# Altium PCB sla2216.PcbDoc (part 2 of 3) (continued)
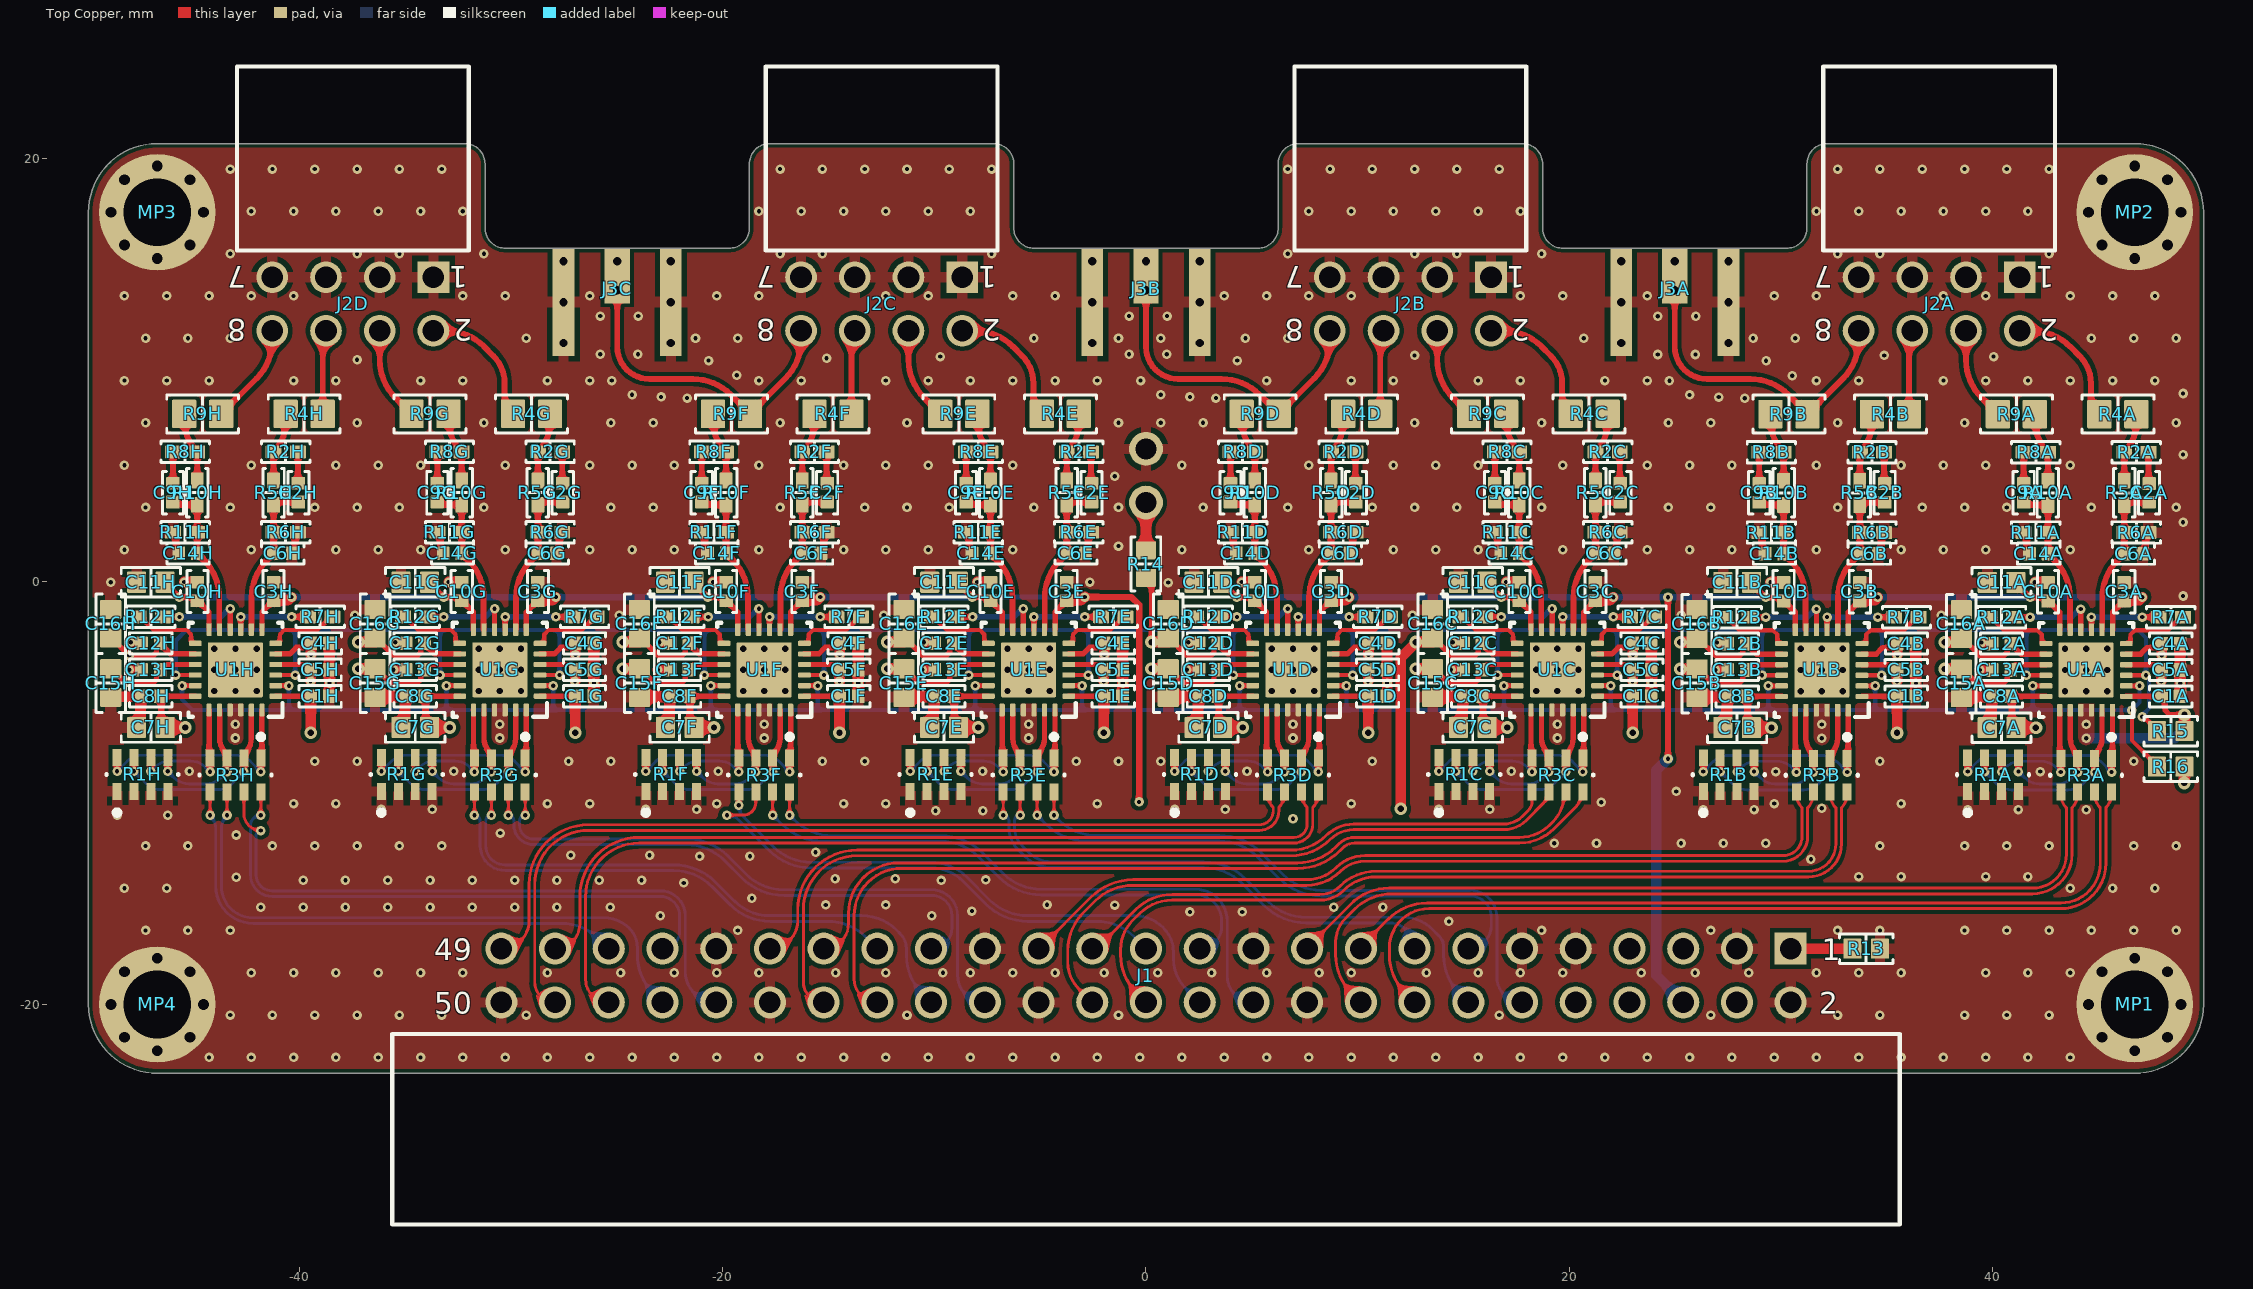
[diagram p0: Top Copper view]
## Nets (pads, with @x,y where several pads share a name; then routed paths per layer and width w, separated by ;. In a path a pad name is that pad's centre, name@x,y a point inside that pad or via, vN(x,y) a via of type N, cw(c..) or ccw(c..) an arc to the next point about the centre after c; other vN are vias at no path point) (continued)
D9_N: J1.15 R3E.5 | length 23.6
  Top Copper w0.139: v1(-6.75,-11.05) R3E.5@-6.75,-9.95
  Bottom Copper w0.139: v1(-6.75,-11.05) cw(c-6.75,-11.317) -6.483,-11.317 -6.483,-11.625 ccw(c-4.991,-11.625) -6.046,-12.68 -5.738,-12.988 ccw(c-4.439,-11.689) -4.439,-13.526 2.738,-13.526 cw(c2.738,-16.066) 4.534,-14.27 5.583,-15.319 ccw(c7.567,-13.335) 7.567,-16.141 11.481,-16.141 cw(c11.481,-17.36) J1.15@12.7,-17.36
D9_P: J1.14 R3E.6 | length 27.5
  Top Copper w0.139: v1(-5.95,-11.05) R3E.6@-5.95,-9.95
  Bottom Copper w0.139: v1(-5.95,-11.05) ccw(c-5.95,-11.317) -6.217,-11.317 -6.217,-11.625 ccw(c-4.991,-11.625) -5.858,-12.492 -5.55,-12.8 ccw(c-4.439,-11.689) -4.439,-13.26 2.738,-13.26 cw(c2.738,-16.066) 4.722,-14.082 5.771,-15.131 ccw(c7.567,-13.335) 7.567,-15.875 12.162,-15.875 cw(c12.162,-17.838) 13.55,-16.45 13.845,-16.745 cw(c13.29,-17.3) 14.075,-17.3 14.075,-17.683 ccw(c16.615,-17.683) 14.819,-19.479 J1.14@15.24,-19.9
D10_N: J1.22 R3F.8 | length 28.3
  Top Copper w0.139: v1(-16.85,-11.05) R3F.8@-16.85,-9.95
  Bottom Copper w0.139: v1(-16.85,-11.05) -16.619,-11.281 ccw(c-14.823,-9.485) -14.823,-12.025 -9.695,-12.025 cw(c-9.695,-14.831) -7.711,-12.847 -6.752,-13.806 ccw(c-4.956,-12.01) -4.956,-14.55 2.341,-14.55 cw(c2.341,-16.05) 3.841,-16.05 3.841,-18.661 ccw(c5.08,-18.661) J1.22@5.08,-19.9
D10_P: J1.23 R3F.7 | length 26.1
  Top Copper w0.139: v1(-17.65,-11.05) R3F.7@-17.65,-9.95
  Bottom Copper w0.139: v1(-17.65,-11.05) -17.231,-11.469 ccw(c-15.247,-9.485) -15.247,-12.291 -9.695,-12.291 cw(c-9.695,-14.831) -7.899,-13.035 -6.94,-13.994 ccw(c-4.956,-12.01) -4.956,-14.816 2.341,-14.816 cw(c2.341,-16.05) 3.575,-16.05 3.575,-16.325 cw(c2.54,-16.325) J1.23@2.54,-17.36
D11_N: J1.24 R3F.5 | length 27.6
  Top Copper w0.139: v1@-19.252,-10.575 R3F.5@-19.252,-9.95 ; v1(-19.25,-10.575) R3F.5@-19.25,-9.95
  Bottom Copper w0.139: v1(-19.25,-10.575) ccw(c-18.451,-10.575) -19.016,-11.14 -17.625,-12.531 ccw(c-15.829,-10.735) -15.829,-13.275 -10.181,-13.275 cw(c-10.181,-15.706) -8.462,-13.987 -7.393,-15.056 ccw(c-5.597,-13.26) -5.597,-15.8 -0.563,-15.8 cw(c-0.563,-17.763) 0.825,-16.375 cw(c-0.322,-17.522) 1.3,-17.522 1.3,-17.85 ccw(c3.256,-17.85) 1.873,-19.233 J1.24@2.54,-19.9
D11_P: J1.25 R3F.6 | length 25.6
  Top Copper w0.139: v1(-19.812,-11.05) v1(-19.812,-11.05) -19.05,-11.05 ; R3F.6@-18.452,-9.95 R3F.6@-18.45,-9.95 ; -19.05,-11.05 ccw(c-19.05,-10.45) -19.048,-11.05 ; -19.05,-11.05 -19.048,-11.05 ; -19.048,-11.05 ccw(c-19.048,-10.45) -18.448,-10.45 -18.448,-9.95 R3F.6@-18.45,-9.95 ; -19.048,-11.05 ccw(c-19.05,-10.45) -18.45,-10.45 R3F.6@-18.45,-9.95
  Bottom Copper w0.139: v1(-19.812,-11.05) cw(c-19.812,-11.849) -19.248,-11.284 -17.813,-12.719 ccw(c-15.829,-10.735) -15.829,-13.541 -10.181,-13.541 cw(c-10.181,-15.706) -8.65,-14.175 -7.581,-15.244 ccw(c-5.597,-13.26) -5.597,-16.066 -2.346,-16.066 cw(c-2.346,-18.606) -0.55,-16.81 J1.25@0,-17.36
D12_N: J1.32 R3G.8 | length 29.1
  Top Copper w0.139: v1(-29.35,-11.05) R3G.8@-29.35,-9.95
  Bottom Copper w0.139: v1(-29.35,-11.05) ccw(c-29.35,-11.317) -29.617,-11.317 -29.617,-11.525 ccw(c-28.967,-11.525) -28.967,-12.175 -21.736,-12.175 cw(c-21.736,-14.981) -19.753,-12.997 -18.918,-13.831 ccw(c-17.122,-12.035) -17.122,-14.575 -10.134,-14.575 cw(c-10.134,-15.8) -8.909,-15.8 -8.909,-18.611 ccw(c-7.62,-18.611) J1.32@-7.62,-19.9
D12_P: J1.33 R3G.7 | length 26.4
  Top Copper w0.139: v1(-30.15,-11.05) R3G.7@-30.15,-9.95
  Bottom Copper w0.139: v1(-30.15,-11.05) cw(c-30.15,-11.317) -29.883,-11.317 -29.883,-11.525 ccw(c-28.967,-11.525) -28.967,-12.441 -21.736,-12.441 cw(c-21.736,-14.981) -19.94,-13.185 -19.106,-14.019 ccw(c-17.122,-12.035) -17.122,-14.841 -10.134,-14.841 cw(c-10.134,-15.8) -9.175,-15.8 -9.175,-16.375 cw(c-10.16,-16.375) J1.33@-10.16,-17.36
D13_N: J1.35 R3G.5 | length 23.3
  Top Copper w0.139: v1(-31.75,-11.05) R3G.5@-31.75,-9.95
  Bottom Copper w0.139: v1(-31.75,-11.05) cw(c-31.75,-11.317) -31.483,-11.317 -31.483,-12.483 ccw(c-30.3,-12.483) -30.3,-13.666 -22.331,-13.666 cw(c-22.331,-16.206) -20.535,-14.41 -19.657,-15.288 ccw(c-17.78,-13.412) -17.78,-16.066 -15.046,-16.066 cw(c-15.046,-18.606) -13.25,-16.81 J1.35@-12.7,-17.36
D13_P: J1.34 R3G.6 | length 27.5
  Top Copper w0.139: v1(-30.95,-11.05) R3G.6@-30.95,-9.95
  Bottom Copper w0.139: v1(-30.95,-11.05) ccw(c-30.95,-11.317) -31.217,-11.317 -31.217,-12.483 ccw(c-30.3,-12.483) -30.3,-13.4 -22.331,-13.4 cw(c-22.331,-16.206) -20.348,-14.222 -19.469,-15.1 ccw(c-17.78,-13.412) -17.78,-15.8 -13.43,-15.8 cw(c-13.43,-18.105) -11.8,-16.475 -11.615,-16.66 cw(c-12.315,-17.36) -11.325,-17.36 -11.325,-17.683 ccw(c-8.785,-17.683) -10.581,-19.479 J1.34@-10.16,-19.9
D14_N: J1.43 R3H.8 | length 27.6
  Top Copper w0.139: v1(-41.85,-11.05) R3H.8@-41.85,-9.95
  Bottom Copper w0.139: v1(-41.85,-11.05) ccw(c-41.85,-11.541) -42.341,-11.541 -42.341,-13.875 ccw(c-41.325,-13.875) -41.325,-14.891 -22.959,-14.891 cw(c-22.959,-15.8) -22.05,-15.8 -22.05,-16.55 cw(c-22.86,-16.55) J1.43@-22.86,-17.36
D14_P: J1.42 R3H.7 | length 30.8
  Top Copper w0.139: R3H.7@-42.65,-9.95 -42.65,-10.975 ccw(c-41.85,-10.975) v1(-41.85,-11.775)
  Bottom Copper w0.139: v1(-41.85,-11.775) ccw(c-41.85,-12) -42.075,-12 -42.075,-13.875 ccw(c-41.325,-13.875) -41.325,-14.625 -22.959,-14.625 cw(c-22.959,-15.8) -21.784,-15.8 -21.784,-18.436 ccw(c-20.32,-18.436) J1.42@-20.32,-19.9
D15_N: J1.45 R3H.5 | length 24.5
  Top Copper w0.139: v1(-44.25,-11.05) R3H.5@-44.25,-9.95
  Bottom Copper w0.139: v1(-44.25,-11.05) cw(c-44.895,-11.695) -43.983,-11.695 -43.983,-14.401 ccw(c-42.219,-14.401) -42.219,-16.166 -27.646,-16.166 cw(c-27.646,-18.706) -25.85,-16.91 J1.45@-25.4,-17.36
D15_P: J1.44 R3H.6 | length 28.8
  Top Copper w0.139: v1(-43.45,-11.05) R3H.6@-43.45,-9.95
  Bottom Copper w0.139: v1(-43.45,-11.05) ccw(c-42.805,-11.695) -43.717,-11.695 -43.717,-14.401 ccw(c-42.219,-14.401) -42.219,-15.9 -25.632,-15.9 cw(c-25.632,-17.607) -24.425,-16.4 cw(c-25.33,-17.305) -24.05,-17.305 -24.05,-17.658 ccw(c-21.51,-17.658) -23.306,-19.454 J1.44@-22.86,-19.9
GND: C1A.1 C1B.1 C1C.1 C1D.1 C1E.1 C1F.1 C1G.1 C1H.1 C3A.1 C3B.1 C3C.1 C3D.1 C3E.1 C3F.1 C3G.1 C3H.1 C4A.1 C4B.1 C4C.1 C4D.1 C4E.1 C4F.1 C4G.1 C4H.1 C5A.1 C5B.1 C5C.1 C5D.1 C5E.1 C5F.1 C5G.1 C5H.1 C6A.2 C6B.2 C6C.2 C6D.2 C6E.2 C6F.2 C6G.2 C6H.2 C7A.2 C7B.2 C7C.2 C7D.2 C7E.2 C7F.2 C7G.2 C7H.2 C8A.1 C8B.1 C8C.1 C8D.1 C8E.1 C8F.1 C8G.1 C8H.1 C10A.1 C10B.1 C10C.1 C10D.1 C10E.1 C10F.1 C10G.1 C10H.1 C11A.2 C11B.2 C11C.2 C11D.2 C11E.2 C11F.2 C11G.2 C11H.2 C12A.1 C12B.1 C12C.1 C12D.1 C12E.1 C12F.1 C12G.1 C12H.1 C13A.1 C13B.1 C13C.1 C13D.1 C13E.1 C13F.1 C13G.1 C13H.1 C14A.2 C14B.2 C14C.2 C14D.2 C14E.2 C14F.2 C14G.2 C14H.2 C15A.2 C15B.2 C15C.2 C15D.2 C15E.2 C15F.2 C15G.2 C15H.2 C16A.1 C16B.1 C16C.1 C16D.1 C16E.1 C16F.1 C16G.1 C16H.1 J1.2 J1.3 J1.9 J1.11 J1.20 J1.21 J1.30 J1.31 J1.40 J1.41 J1.50 J2A.1 J2A.3 J2A.5 J2A.7 J2B.1 J2B.3 J2B.5 J2B.7 J2C.1 J2C.3 J2C.5 J2C.7 J2D.1 J2D.3 J2D.5 J2D.7 J3A.2 J3A.3 J3A.4 J3A.5 J3B.2 J3B.3 J3B.4 J3B.5 J3C.2 J3C.3 J3C.4 J3C.5 LED1.1 MP1.MP MP2.MP MP3.MP MP4.MP R1A.1 R1A.2 R1A.3 R1A.4 R1B.1 R1B.2 R1B.3 R1B.4 R1C.1 R1C.2 R1C.3 R1C.4 R1D.1 R1D.2 R1D.3 R1D.4 R1E.1 R1E.2 R1E.3 R1E.4 R1F.1 R1F.2 R1F.3 R1F.4 R1G.1 R1G.2 R1G.3 R1G.4 R1H.1 R1H.2 R1H.3 R1H.4 R6A.2 R6B.2 R6C.2 R6D.2 R6E.2 R6F.2 R6G.2 R6H.2 R11A.2 R11B.2 R11C.2 R11D.2 R11E.2 R11F.2 R11G.2 R11H.2 R13.1 | length 76.7
  Top Copper w0.3: R11H.2@-46.005,2.325 -45.868,2.188 -45.868,1.462 C14H.2@-45.73,1.325 ; C6H.2@-40.37,1.325 -40.233,1.462 -40.233,2.188 R6H.2@-40.095,2.325 ; R11G.2@-33.505,2.325 -33.367,2.187 -33.367,1.462 C14G.2@-33.23,1.325 ; C6G.2@-27.87,1.325 -27.732,1.462 -27.732,2.187 R6G.2@-27.595,2.325 ; R11F.2@-21.005,2.325 -20.867,2.188 -20.867,1.463 C14F.2@-20.73,1.325 ; C6F.2@-15.37,1.325 -15.233,1.463 -15.233,2.188 R6F.2@-15.095,2.325 ; R11E.2@-8.505,2.325 -8.367,2.188 -8.367,1.462 C14E.2@-8.23,1.325 ; C6E.2@-2.87,1.325 -2.733,1.462 -2.733,2.188 R6E.2@-2.595,2.325 ; R11D.2@3.995,2.325 4.133,2.188 4.133,1.462 C14D.2@4.27,1.325 ; C6D.2@9.63,1.325 9.767,1.462 9.767,2.188 R6D.2@9.905,2.325 ; R11C.2@16.495,2.325 16.633,2.188 16.633,1.462 C14C.2@16.77,1.325 ; C6C.2@22.13,1.325 22.267,1.462 22.267,2.188 R6C.2@22.405,2.325 ; R11B.2@28.995,2.315 29.132,2.178 29.132,1.453 C14B.2@29.27,1.315 ; C6B.2@34.63,1.315 34.767,1.453 34.767,2.178 R6B.2@34.905,2.315 ; R11A.2@41.495,2.315 41.632,2.178 41.632,1.453 C14A.2@41.77,1.315 ; C6A.2@47.13,1.315 47.267,1.453 47.267,2.178 R6A.2@47.405,2.315
  Top Copper w0.5: C15H.2@-48.95,-5.475 -48.925,-5.45 C8H.1@-47.515,-5.45 ; v1(-48.075,-4.175) C13H.1@-47.49,-4.175 ; v1(-48,-2.875) -47.49,-2.875 C12H.1@-47.49,-2.925 ; C7H.2@-47.725,-6.9 -47.54,-6.715 -47.54,-5.475 C8H.1@-47.515,-5.45 ; C8H.1@-47.49,-5.425 C8H.1@-47.515,-5.45 ; v1(-45.475,-0.025) -44.85,-0.025 C10H.1@-44.85,-0.035 ; C1H.1@-38.605,-5.495 -38.6,-5.49 -38.6,-4.18 -38.605,-4.175 C4H.1@-38.605,-2.925 ; C15G.2@-36.45,-5.475 -36.425,-5.45 C8G.1@-35.015,-5.45 ; v1(-35.575,-4.175) C13G.1@-34.99,-4.175 ; v1(-35.5,-2.875) -34.99,-2.875 C12G.1@-34.99,-2.925 ; C7G.2@-35.225,-6.9 -35.04,-6.715 -35.04,-5.475 C8G.1@-35.015,-5.45 ; C8G.1@-34.99,-5.425 C8G.1@-35.015,-5.45 ; v1(-32.975,-0.025) C10G.1@-32.35,-0.025 ; C1G.1@-26.105,-5.495 -26.1,-5.49 -26.1,-4.18 -26.105,-4.175 C4G.1@-26.105,-2.925 ; C15F.2@-23.95,-5.475 -23.925,-5.45 C8F.1@-22.515,-5.45 ; v1(-23.075,-4.175) C13F.1@-22.49,-4.175 ; v1(-23,-2.875) -22.49,-2.875 C12F.1@-22.49,-2.925 ; C7F.2@-22.725,-6.9 -22.54,-6.715 -22.54,-5.475 C8F.1@-22.515,-5.45 ; C8F.1@-22.49,-5.425 C8F.1@-22.515,-5.45 ; v1(-20.475,-0.025) C10F.1@-19.85,-0.025 ; C1F.1@-13.605,-5.495 -13.6,-5.49 -13.6,-4.18 -13.605,-4.175 C4F.1@-13.605,-2.925 ; C15E.2@-11.45,-5.475 -11.425,-5.45 C8E.1@-10.015,-5.45 ; v1(-10.575,-4.175) C13E.1@-9.99,-4.175 ; v1(-10.5,-2.875) -9.99,-2.875 C12E.1@-9.99,-2.925 ; C7E.2@-10.225,-6.9 -10.04,-6.715 -10.04,-5.475 C8E.1@-10.015,-5.45 ; C8E.1@-9.99,-5.425 C8E.1@-10.015,-5.45 ; v1(-7.975,-0.025) C10E.1@-7.35,-0.025 ; C1E.1@-1.105,-5.495 -1.1,-5.49 -1.1,-4.18 -1.105,-4.175 C4E.1@-1.105,-2.925 ; C15D.2@1.05,-5.475 1.075,-5.45 C8D.1@2.485,-5.45 ; v1(1.925,-4.175) C13D.1@2.51,-4.175 ; v1(2,-2.875) 2.51,-2.875 C12D.1@2.51,-2.925 ; C7D.2@2.275,-6.9 2.46,-6.715 2.46,-5.475 C8D.1@2.485,-5.45 ; C8D.1@2.51,-5.425 C8D.1@2.485,-5.45 ; v1(4.525,-0.025) C10D.1@5.15,-0.025 ; C1D.1@11.395,-5.495 11.4,-5.49 11.4,-4.18 11.395,-4.175 C4D.1@11.395,-2.925 ; C15C.2@13.55,-5.475 13.575,-5.45 C8C.1@14.985,-5.45 ; v1(14.425,-4.175) C13C.1@15.01,-4.175 ; v1(14.5,-2.875) 15.01,-2.875 C12C.1@15.01,-2.925 ; C7C.2@14.775,-6.9 14.96,-6.715 14.96,-5.475 C8C.1@14.985,-5.45 ; C8C.1@15.01,-5.425 C8C.1@14.985,-5.45 ; v1(17.025,-0.025) C10C.1@17.65,-0.025 ; C1C.1@23.895,-5.495 23.9,-5.49 23.9,-4.18 23.895,-4.175 C4C.1@23.895,-2.925 ; C15B.2@26.05,-5.485 26.075,-5.46 C8B.1@27.485,-5.46 ; v1(26.925,-4.185) C13B.1@27.51,-4.185 ; v1(27,-2.885) 27.51,-2.885 C12B.1@27.51,-2.935 ; C7B.2@27.275,-6.91 27.46,-6.725 27.46,-5.485 C8B.1@27.485,-5.46 ; C8B.1@27.51,-5.435 C8B.1@27.485,-5.46 ; v1(29.525,-0.035) C10B.1@30.15,-0.035 ; C1B.1@36.395,-5.505 36.4,-5.5 36.4,-4.19 36.395,-4.185 C4B.1@36.395,-2.935 ; C15A.2@38.55,-5.485 38.575,-5.46 C8A.1@39.985,-5.46 ; v1(39.425,-4.185) C13A.1@40.01,-4.185 ; v1(39.5,-2.885) 40.01,-2.885 C12A.1@40.01,-2.935 ; C7A.2@39.775,-6.91 39.96,-6.725 39.96,-5.485 C8A.1@39.985,-5.46 ; C8A.1@40.01,-5.435 C8A.1@39.985,-5.46 ; v1(42.025,-0.035) C10A.1@42.65,-0.035 ; C1A.1@48.895,-5.505 48.9,-5.5 48.9,-4.19 48.895,-4.185 C4A.1@48.895,-2.935
  other v1: -44.3,-22.5 -42.3,-22.5 -40.3,-22.5 -38.3,-22.5 -36.3,-22.5 -34.3,-22.5 -32.3,-22.5 -30.3,-22.5 -28.3,-22.5 -26.3,-22.5 -24.3,-22.5 -22.3,-22.5 -20.3,-22.5 -18.3,-22.5 -16.3,-22.5 -14.3,-22.5 -12.3,-22.5 -10.3,-22.5 -8.3,-22.5 -6.3,-22.5 -4.3,-22.5 -2.3,-22.5 -0.3,-22.5 1.7,-22.5 3.7,-22.5 5.7,-22.5 7.7,-22.5 9.7,-22.5 11.7,-22.5 13.7,-22.5 15.7,-22.5 17.7,-22.5 19.7,-22.5 21.7,-22.5 23.7,-22.5 25.7,-22.5 27.7,-22.5 29.7,-22.5 31.7,-22.5 33.7,-22.5 35.7,-22.5 37.7,-22.5 39.7,-22.5 41.7,-22.5 43.7,-22.5 -43.3,-20.5 -41.3,-20.5 -39.3,-20.5 -37.3,-20.5 -35.3,-20.5 -33.3,-20.5 -29.3,-20.5 -11.3,-20.5 -1.3,-20.5 16.7,-20.5 26.7,-20.5 32.7,-20.5 34.7,-20.5 38.7,-20.5 40.7,-20.5 42.7,-20.5 -42.3,-18.5 -40.3,-18.5 -38.3,-18.5 -36.3,-18.5 -34.3,-18.5 -32.3,-18.5 -28.3,-18.5 -24.84,-18.5 -22.3,-18.5 -20.3,-18.5 -18.3,-18.5 -14.68,-18.5 -12.3,-18.5 -9.6,-18.5 -8.3,-18.5 -6.3,-18.5 -4.3,-18.5 -1.98,-18.5 0.56,-18.5 3.1,-18.5 5.7,-18.5 8.18,-18.5 9.7,-18.5 13.26,-18.5 15.7,-18.5 17.7,-18.5 19.7,-18.5 23.42,-18.5 25.96,-18.5 28.5,-18.5 31.7,-18.5 33.7,-18.5 35.7,-18.5 39.7,-18.5 41.7,-18.5 43.7,-18.5 -47.3,-16.5 -45.3,-16.5 -43.3,-16.5 -19.3,-16.5 18.7,-16.5 26.7,-16.5 32.7,-16.5 34.7,-16.5 38.7,-16.5 40.7,-16.5 42.7,-16.5 44.7,-16.5 46.7,-16.5 48.7,-16.5 14.325,-16.075 -22.959,-15.8 -10.134,-15.8 2.075,-15.625 4.55,-15.625 -8.23,-15.583 -41.85,-15.4 -39.85,-15.4 -37.85,-15.4 -35.85,-15.4 -33.85,-15.4 -31.85,-15.4 -29.85,-15.4 -27.85,-15.4 -25.33,-15.4 8.875,-15.4 11.2,-15.4 -15.145,-15.292 -12.3,-15.292 -1.475,-15.298 -4.68,-15.283 -18.631,-14.981 -48.3,-14.5 -46.3,-14.5 43.7,-14.5 45.7,-14.5 47.7,-14.5 -21.85,-14.25 -39.85,-14.125 -37.85,-14.125 -35.85,-14.125 -33.85,-14.125 -31.85,-14.125 -29.85,-14.125 -27.85,-14.125 -25.85,-14.125 -23.85,-14.125 -9.68,-14.133 -7.58,-14.108 -14.7,-14.05 -11.854,-14.05 -43.014,-13.986 33.7,-13.95 35.7,-13.95 39.7,-13.95 41.7,-13.95 31.44,-13.13 -21.108,-12.997 -18.725,-12.986 -27.194,-12.939 -23.472,-12.939 -15.625,-12.8 -47.3,-12.5 -45.3,-12.5 -41.3,-12.5 -39.3,-12.5 -37.3,-12.5 -35.3,-12.5 -33.3,-12.5 34.7,-12.5 38.7,-12.5 40.7,-12.5 42.7,-12.5 46.7,-12.5 48.7,-12.5 19.3,-12.375 21.3,-12.375 25.3,-12.375 27.3,-12.375 29.3,-12.375 -43.014,-11.986 -30.528,-11.898 6.95,-11.216 -48.65,-11.05 -46.25,-11.05 -9.95,-10.837 -7.711,-10.837 44.45,-10.797 -36.15,-10.775 -33.75,-10.775 -23.65,-10.775 -21.25,-10.775 1.35,-10.775 3.75,-10.775 13.85,-10.775 16.25,-10.775 26.35,-10.785 28.75,-10.785 38.85,-10.785 41.25,-10.785 31.95,-10.725 -40.3,-10.5 -38.3,-10.5 -28.3,-10.5 -26.3,-10.5 -20.3,-10.5 -14.3,-10.5 -12.3,-10.5 -2.3,-10.5 9.7,-10.5 29.7,-10.5 35.7,-10.5 21.525,-10.435 25.075,-9.925 29.775,-8.985 42.275,-8.985 -45.225,-8.975 -32.725,-8.975 -20.225,-8.975 -7.725,-8.975 4.775,-8.975 17.275,-8.975 -39.3,-8.5 -37.3,-8.5 -27.3,-8.5 -25.3,-8.5 -15.3,-8.5 -13.3,-8.5 -3.3,-8.5 -1.3,-8.5 0.7,-8.5 10.7,-8.5 34.7,-8.5 46.7,-8.5 -38.6,-4.8 -26.1,-4.8 -13.6,-4.8 -1.1,-4.8 11.4,-4.8 23.9,-4.8 36.4,-4.81 48.9,-4.81 25.3,-1.6 37.6,-1.6 -37.4,-1.59 -24.9,-1.59 -12.4,-1.59 12.6,-1.59 49.03,-0.686 1.05,-0.05 -48.95,-0.035 -2.65,-0.025 -48.3,1.5 -42.3,1.5 -38.3,1.5 -36.3,1.5 -34.3,1.5 -30.3,1.5 -26.3,1.5 -24.3,1.5 -22.3,1.5 -18.3,1.5 -14.3,1.5 -12.3,1.5 -10.3,1.5 -6.3,1.5 1.7,1.5 7.7,1.5 11.7,1.5 13.7,1.5 15.7,1.5 19.7,1.5 23.7,1.5 25.7,1.5 27.7,1.5 31.7,1.5 35.7,1.5 37.7,1.5 39.7,1.5 43.7,1.5 -1.3,1.675 49.03,2.802 -47.3,3.5 -43.3,3.5 -39.3,3.5 -37.3,3.5 -35.3,3.5 -31.3,3.5 -25.3,3.5 -23.3,3.5 -17.3,3.5 -13.3,3.5 -11.3,3.5 -9.3,3.5 -5.3,3.5 -1.3,3.5 2.7,3.5 6.7,3.5 10.7,3.5 12.7,3.5 14.7,3.5 18.7,3.5 24.7,3.5 26.7,3.5 32.7,3.5 36.7,3.5 38.7,3.5 40.7,3.5 44.7,3.5 48.7,3.5 -1.475,4.975 -48.3,5.5 -42.3,5.5 -38.3,5.5 -36.3,5.5 -34.3,5.5 -30.3,5.5 -26.3,5.5 -24.3,5.5 -22.3,5.5 -18.3,5.5 -14.3,5.5 -12.3,5.5 -10.3,5.5 -6.3,5.5 1.7,5.5 7.7,5.5 11.7,5.5 13.7,5.5 15.7,5.5 19.7,5.5 23.7,5.5 25.7,5.5 27.7,5.5 31.7,5.5 35.7,5.5 37.7,5.5 39.7,5.5 43.7,5.5 49.03,6 -47.3,7.5 -37.3,7.5 -31.3,7.5 -25.3,7.5 -23.3,7.5 -17.3,7.5 -11.3,7.5 -1.3,7.5 0.7,7.5 2.7,7.5 12.7,7.5 18.7,7.5 24.7,7.5 26.7,7.5 32.7,7.5 38.7,7.5 48.7,7.5 28.304,8.663 -21.696,8.672 3.304,8.672 27.075,8.717 -22.925,8.726 2.075,8.726 -24.3,8.831 0.7,8.831 25.7,8.821 49.03,8.888 -48.3,9.5 -46.3,9.5 -44.3,9.5 -40.3,9.5 -38.3,9.5 -34.3,9.5 -32.3,9.5 -28.3,9.5 -26.3,9.5 -25.254,9.5 -18.3,9.5 -16.3,9.5 -12.3,9.5 -10.3,9.5 -8.3,9.5 -6.3,9.5 -4.3,9.5 -2.3,9.5 -0.254,9.5 5.7,9.5 9.7,9.5 11.7,9.5 15.7,9.5 17.7,9.5 21.7,9.5 23.7,9.5 24.746,9.49 31.7,9.5 33.7,9.5 37.7,9.5 39.7,9.5 41.7,9.5 43.7,9.5 45.7,9.5 47.7,9.5 30.55,9.725 -19.35,9.75 -20.683,10.445 4.317,10.445 29.317,10.435 -37.3,10.482 -15.1,10.559 -9.725,10.636 40.075,10.636 12.7,10.687 34.9,10.687 -25.8,10.741 -24.023,10.741 -0.8,10.741 0.977,10.741 24.2,10.732 25.977,10.732 -47.3,11.5 -45.3,11.5 -43.3,11.5 -29.3,11.5 -21.3,11.5 -19.3,11.5 -5.3,11.5 -1.3,11.5 0.7,11.5 4.7,11.5 6.7,11.5 20.7,11.5 28.7,11.5 30.7,11.5 44.7,11.5 46.7,11.5 48.7,11.5 -25.8,12.55 -24.002,12.55 -0.8,12.55 0.998,12.55 24.2,12.54 25.998,12.54 -48.3,13.5 -46.3,13.5 -44.3,13.5 -42.3,13.5 -40.3,13.5 -32.3,13.5 -30.3,13.5 -26.3,13.5 -20.3,13.5 -18.3,13.5 -12.3,13.5 -10.3,13.5 -6.3,13.5 -4.3,13.5 3.7,13.5 5.7,13.5 7.7,13.5 9.7,13.5 17.7,13.5 19.7,13.5 23.7,13.5 29.7,13.5 31.7,13.5 37.7,13.5 39.7,13.5 43.7,13.5 45.7,13.5 47.7,13.5 -43.3,15.5 -37.3,15.5 -35.3,15.5 -31.3,15.5 -17.3,15.5 -15.3,15.5 -7.3,15.5 6.7,15.5 12.7,15.5 14.7,15.5 18.7,15.5 32.7,15.5 34.7,15.5 42.7,15.5 -42.3,17.5 -40.3,17.5 -38.3,17.5 -36.3,17.5 -34.3,17.5 -32.3,17.5 -18.3,17.5 -16.3,17.5 -14.3,17.5 -12.3,17.5 -10.3,17.5 -8.3,17.5 7.7,17.5 9.7,17.5 11.7,17.5 13.7,17.5 15.7,17.5 17.7,17.5 31.7,17.5 33.7,17.5 35.7,17.5 37.7,17.5 39.7,17.5 41.7,17.5 -43.3,19.5 -41.3,19.5 -39.3,19.5 -37.3,19.5 -35.3,19.5 -33.3,19.5 -17.3,19.5 -15.3,19.5 -13.3,19.5 -11.3,19.5 -9.3,19.5 -7.3,19.5 6.7,19.5 8.7,19.5 10.7,19.5 12.7,19.5 14.7,19.5 16.7,19.5 32.7,19.5 34.7,19.5 36.7,19.5 38.7,19.5 40.7,19.5 42.7,19.5
  other v4: -27.54,11.275 -22.46,11.275 -2.54,11.275 2.54,11.275 22.46,11.275 27.54,11.275 -27.54,13.205 -22.46,13.205 -2.54,13.205 2.54,13.205 22.46,13.205 27.54,13.205 -27.54,15.135 -22.46,15.135 -2.54,15.135 2.54,15.135 22.46,15.135 27.54,15.135
IN0: J2A.2 R4A.1 | length 6.5
  Top Copper w0.277: J2A.2@41.31,11.85 41.898,11.85 cw(c41.898,9.31) 43.694,11.106 44.145,10.655 cw(c42.864,9.375) 44.675,9.375 44.675,7.915 R4A.1@45.075,7.915
IN1: J2A.4 R9A.1 | length 4.4
  Top Copper w0.277: J2A.4@38.77,11.84 38.77,10.472 ccw(c41.31,10.472) 39.514,8.676 R9A.1@40.275,7.915
IN2: J2A.6 R4B.1 | length 4
  Top Copper w0.277: R4B.1@36.075,7.915 36.075,11.466 cw(c36.604,11.466) J2A.6@36.23,11.84
IN3: J2A.8 J3A.1 R9B.1 | length 15.2
  Top Copper w0.277: v4(25,13.775) 25,11.1 ccw(c26.525,11.1) 26.525,9.575 28.573,9.575 cw(c28.573,7.035) 30.369,8.831 R9B.1@31.275,7.925 ; R9B.1@31.275,7.915 32.946,9.586 ccw(c31.15,11.382) 33.69,11.382 J2A.8@33.69,11.84
  other v4: 25,15.135
IN4: J2B.2 R4C.1 | length 6.5
  Top Copper w0.277: J2B.2@16.31,11.86 16.898,11.86 cw(c16.898,9.32) 18.694,11.116 19.145,10.665 cw(c17.864,9.385) 19.675,9.385 19.675,7.925 R4C.1@20.075,7.925
IN5: J2B.4 R9C.1 | length 4.4
  Top Copper w0.277: J2B.4@13.77,11.85 13.77,10.482 ccw(c16.31,10.482) 14.514,8.686 R9C.1@15.275,7.925
IN6: J2B.6 R4D.1 | length 4
  Top Copper w0.277: R4D.1@11.075,7.925 11.075,11.476 cw(c11.604,11.476) J2B.6@11.23,11.85
IN7: J2B.8 J3B.1 R9D.1 | length 15.9
  Top Copper w0.277: J3B.1@0,14.455 v4(0,13.775) 0,11.1 ccw(c1.525,11.1) 1.525,9.575 3.573,9.575 cw(c3.573,7.035) 5.369,8.831 R9D.1@6.275,7.925 7.946,9.596 ccw(c6.15,11.392) 8.69,11.392 J2B.8@8.69,11.85
  other v4: 0,15.135
IN8: J2C.2 R4E.1 | length 6.5
  Top Copper w0.277: J2C.2@-8.69,11.86 -8.102,11.86 cw(c-8.102,9.32) -6.306,11.116 -5.855,10.665 cw(c-7.136,9.385) -5.325,9.385 -5.325,7.925 R4E.1@-4.925,7.925
IN9: J2C.4 R9E.1 | length 4.4
  Top Copper w0.277: J2C.4@-11.23,11.85 -11.23,10.482 ccw(c-8.69,10.482) -10.486,8.686 R9E.1@-9.725,7.925
IN10: J2C.6 R4F.1 | length 4
  Top Copper w0.277: R4F.1@-13.925,7.925 -13.925,11.476 cw(c-13.396,11.476) J2C.6@-13.77,11.85
IN11: J2C.8 J3C.1 R9F.1 | length 15.2
  Top Copper w0.277: v4(-25,13.775) -25,11.1 ccw(c-23.475,11.1) -23.475,9.575 -21.427,9.575 cw(c-21.427,7.035) -19.631,8.831 R9F.1@-18.725,7.925 -17.054,9.596 ccw(c-18.85,11.392) -16.31,11.392 J2C.8@-16.31,11.85
  other v4: -25,15.135
IN12: J2D.2 R4G.1 | length 6.5
  Top Copper w0.277: J2D.2@-33.69,11.86 -33.102,11.86 cw(c-33.102,9.32) -31.306,11.116 -30.855,10.665 cw(c-32.136,9.385) -30.325,9.385 -30.325,7.925 R4G.1@-29.925,7.925
IN13: J2D.4 R9G.1 | length 4.4
  Top Copper w0.277: J2D.4@-36.23,11.85 -36.23,10.482 ccw(c-33.69,10.482) -35.486,8.686 R9G.1@-34.725,7.925
IN14: J2D.6 R4H.1 | length 4
  Top Copper w0.277: R4H.1@-38.925,7.925 -38.925,11.476 cw(c-38.396,11.476) J2D.6@-38.77,11.85
IN15: J2D.8 R9H.1 | length 4.8
  Top Copper w0.277: R9H.1@-43.725,7.925 -42.054,9.596 ccw(c-43.85,11.392) -41.31,11.392 J2D.8@-41.31,11.85
INAA_P: C2A.2 C6A.1 R5A.2 R6A.1 U1A.8 | length 7.5
  Top Copper w0.277: U1A.8@45.214,-2.27 45.214,-0.772 cw(c47.754,-0.772) 45.779,0.824 cw(c47.754,-0.772) 45.958,1.024 C6A.1@46.25,1.315 R6A.1@46.25,2.315 R5A.2@46.25,3.615 46.25,3.75 C2A.2@47.425,3.75
INAB_P: C2B.2 C6B.1 R5B.2 R6B.1 U1B.8 | length 7.5
  Top Copper w0.277: U1B.8@32.714,-2.27 32.714,-0.772 cw(c35.254,-0.772) 33.279,0.824 cw(c35.254,-0.772) 33.458,1.024 C6B.1@33.75,1.315 R6B.1@33.75,2.315 R5B.2@33.75,3.615 33.75,3.75 C2B.2@34.925,3.75
INAC_P: C2C.2 C6C.1 R5C.2 R6C.1 U1C.8 | length 7.5
  Top Copper w0.277: U1C.8@20.214,-2.261 20.214,-0.763 cw(c22.754,-0.763) 20.779,0.834 cw(c22.754,-0.763) 20.958,1.033 C6C.1@21.25,1.325 R6C.1@21.25,2.325 R5C.2@21.25,3.625 21.25,3.76 C2C.2@22.425,3.76
INAD_P: C2D.2 C6D.1 R5D.2 R6D.1 U1D.8 | length 7.5
  Top Copper w0.277: U1D.8@7.714,-2.261 7.714,-0.763 cw(c10.254,-0.763) 8.279,0.834 cw(c10.254,-0.763) 8.458,1.033 C6D.1@8.75,1.325 R6D.1@8.75,2.325 R5D.2@8.75,3.625 8.75,3.76 C2D.2@9.925,3.76
INAE_P: C2E.2 C6E.1 R5E.2 R6E.1 U1E.8 | length 8.5
  Top Copper w0.277: U1E.8@-4.786,-2.261 -4.786,-0.763 cw(c-2.246,-0.763) -4.221,0.834 cw(c-2.246,-0.763) -4.042,1.033 C6E.1@-3.75,1.325 ; R6E.1@-3.75,2.325 C6E.1@-3.75,1.325 ; C2E.2@-2.575,3.76 -3.75,3.76 R5E.2@-3.75,3.625 C6E.1@-3.75,1.325
INAF_P: C2F.2 C6F.1 R5F.2 R6F.1 U1F.8 | length 8.5
  Top Copper w0.277: U1F.8@-17.286,-2.261 -17.286,-0.763 cw(c-14.746,-0.763) -16.721,0.834 cw(c-14.746,-0.763) -16.542,1.033 C6F.1@-16.25,1.325 ; R6F.1@-16.25,2.325 C6F.1@-16.25,1.325 ; C2F.2@-15.075,3.76 -16.25,3.76 R5F.2@-16.25,3.625 C6F.1@-16.25,1.325
INAG_P: C2G.2 C6G.1 R5G.2 R6G.1 U1G.8 | length 7.5
  Top Copper w0.277: U1G.8@-29.786,-2.261 -29.786,-0.763 cw(c-27.246,-0.763) -29.221,0.834 cw(c-27.246,-0.763) -29.042,1.033 C6G.1@-28.75,1.325 R6G.1@-28.75,2.325 R5G.2@-28.75,3.625 -28.75,3.76 C2G.2@-27.575,3.76
INAH_P: C2H.2 C6H.1 R5H.2 R6H.1 U1H.8 | length 7.5
  Top Copper w0.277: U1H.8@-42.286,-2.261 -42.286,-0.763 cw(c-39.746,-0.763) -41.721,0.834 cw(c-39.746,-0.763) -41.542,1.033 C6H.1@-41.25,1.325 R6H.1@-41.25,2.325 R5H.2@-41.25,3.625 -41.25,3.76 C2H.2@-40.075,3.76
INBA_P: C9A.2 C14A.1 R10A.2 R11A.1 U1A.11 | length 7.5
  Top Copper w0.277: C9A.2@41.495,3.75 41.495,3.615 R10A.2@42.645,3.615 R11A.1@42.645,2.315 42.645,1.315 C14A.1@42.65,1.315 42.942,1.024 cw(c41.146,-0.772) 43.121,0.824 cw(c41.146,-0.772) 43.686,-0.772 U1A.11@43.686,-2.27
INBB_P: C9B.2 C14B.1 R10B.2 R11B.1 U1B.11 | length 7.5
  Top Copper w0.277: C9B.2@28.995,3.75 28.995,3.615 R10B.2@30.145,3.615 R11B.1@30.145,2.315 30.145,1.315 C14B.1@30.15,1.315 30.442,1.024 cw(c28.646,-0.772) 30.621,0.824 cw(c28.646,-0.772) 31.186,-0.772 U1B.11@31.186,-2.27
INBC_P: C9C.2 C14C.1 R10C.2 R11C.1 U1C.11 | length 7.5
  Top Copper w0.277: C9C.2@16.495,3.76 16.495,3.625 R10C.2@17.645,3.625 R11C.1@17.645,2.325 17.645,1.325 C14C.1@17.65,1.325 17.942,1.033 cw(c16.146,-0.763) 18.121,0.834 cw(c16.146,-0.763) 18.686,-0.763 U1C.11@18.686,-2.261
INBD_P: C9D.2 C14D.1 R10D.2 R11D.1 U1D.11 | length 7.5
  Top Copper w0.277: C9D.2@3.995,3.76 3.995,3.625 R10D.2@5.145,3.625 R11D.1@5.145,2.325 5.145,1.325 C14D.1@5.15,1.325 5.442,1.033 cw(c3.646,-0.763) 5.621,0.834 cw(c3.646,-0.763) 6.186,-0.763 U1D.11@6.186,-2.261
INBE_P: C9E.2 C14E.1 R10E.2 R11E.1 U1E.11 | length 7.5
  Top Copper w0.277: C9E.2@-8.505,3.76 -8.505,3.625 R10E.2@-7.355,3.625 R11E.1@-7.355,2.325 -7.355,1.325 C14E.1@-7.35,1.325 -7.058,1.033 cw(c-8.854,-0.763) -6.879,0.834 cw(c-8.854,-0.763) -6.314,-0.763 U1E.11@-6.314,-2.261
INBF_P: C9F.2 C14F.1 R10F.2 R11F.1 U1F.11 | length 7.5
  Top Copper w0.277: C9F.2@-21.005,3.76 -21.005,3.625 R10F.2@-19.855,3.625 R11F.1@-19.855,2.325 -19.855,1.325 C14F.1@-19.85,1.325 -19.558,1.033 cw(c-21.354,-0.763) -19.379,0.834 cw(c-21.354,-0.763) -18.814,-0.763 U1F.11@-18.814,-2.261
INBG_P: C9G.2 C14G.1 R10G.2 R11G.1 U1G.11 | length 7.5
  Top Copper w0.277: C9G.2@-33.505,3.76 -33.505,3.625 R10G.2@-32.355,3.625 R11G.1@-32.355,2.325 -32.355,1.325 C14G.1@-32.35,1.325 -32.058,1.033 cw(c-33.854,-0.763) -31.879,0.834 cw(c-33.854,-0.763) -31.314,-0.763 U1G.11@-31.314,-2.261